# KiCad board accelerator.kicad_pcb (continued)
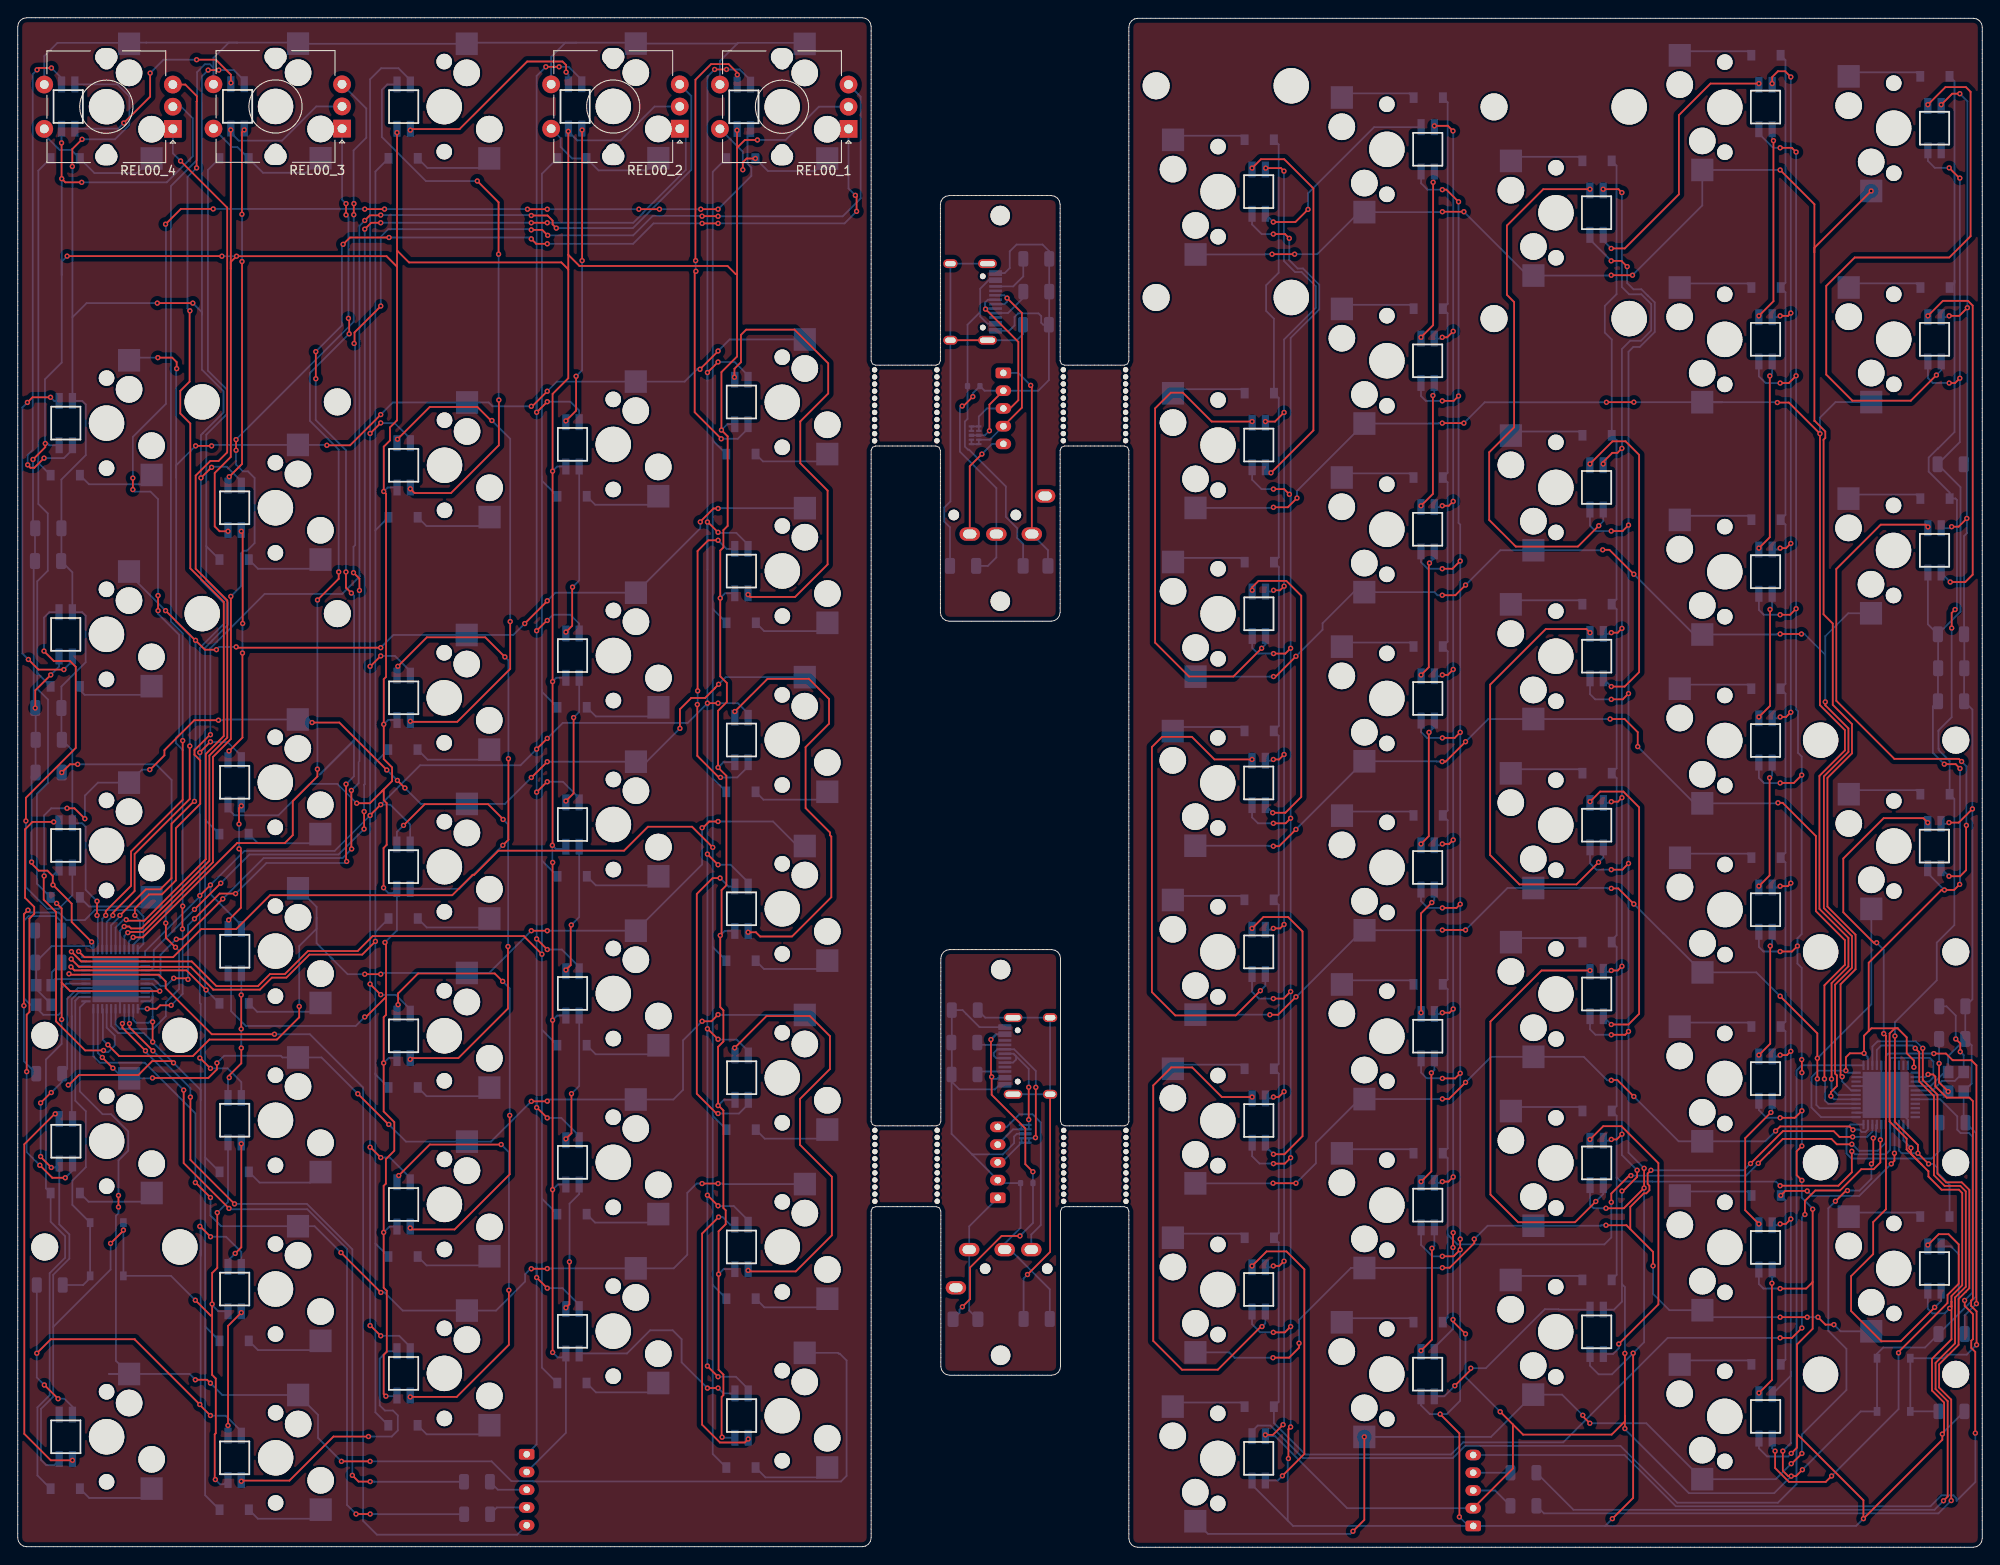
[diagram p0: board, top side]
## Footprints (pads in the part's own frame, mm; a bottom-side part is the same pattern mirrored in y, then rotated)
C_1206_3216Metric
  rrect 1.15x1.8 smd: 1(-1.475,0) 2(1.475,0)
D_SOD-123-Pretty
  rect 0.9x1.2 smd: 1(-1.65,0) 2(1.65,0)
D_SOD-523
  rrect 0.6x0.7 smd: 1(-0.7,0) 2(0.7,0)
Fuse_1206_3216Metric
  rrect 1.25x1.75 smd: 1(-1.4,0) 2(1.4,0)
JST_PH_S5B-PH-K_1x05_P2.00mm_Horizontal
  rrect 1.2x1.75 hole 0.75: 1(0,0)
  oval 1.2x1.75 hole 0.75: 2(2,0) 3(4,0) 4(6,0) 5(8,0)
MJ-4PP-9
  round 1.2 hole 1.2 unplated: (-4.55,-0.05) (2.45,-0.05)
  oval 2.3x1.5 hole 1.5x1: 1(5.75,-2.2) 2(-2.75,2.1) 3(0.25,2.1) 4(4.25,2.1)
MountingHole_2.2mm_M2
  round 2.2 hole 2.2 unplated: (0,0)
mousebites
  round 0.6 hole 0.6 unplated: (-4,0) (-3.2,0) (-2.4,0) (-1.6,0) (-0.8,0) (0,0) (0.8,0) (1.6,0) (2.4,0) (3.2,0) (4,0)
MXOnly-1.5U-Hotswap
  round 1.75 hole 1.75 unplated: (-5.08,0) (5.08,0)
  round 3 hole 3 unplated: (-3.81,2.54) (2.54,5.08)
  round 3.988 hole 3.988 unplated: (0,0)
  rect 2.55x2.5 smd far side: 1(-7.085,2.54) 2(5.842,5.08)
MXOnly-1.25U-Hotswap
  round 1.75 hole 1.75 unplated: (-5.08,0) (5.08,0)
  round 3 hole 3 unplated: (-3.81,2.54) (2.54,5.08)
  round 3.988 hole 3.988 unplated: (0,0)
  rect 2.55x2.5 smd far side: 1(-7.085,2.54) 2(5.842,5.08)
MXOnly-1.75U-Hotswap
  round 1.75 hole 1.75 unplated: (-5.08,0) (5.08,0)
  round 3 hole 3 unplated: (-3.81,2.54) (2.54,5.08)
  round 3.988 hole 3.988 unplated: (0,0)
  rect 2.55x2.5 smd far side: 1(-7.085,2.54) 2(5.842,5.08)
MXOnly-1U-Hotswap
  round 1.75 hole 1.75 unplated: (-5.08,0) (5.08,0)
  round 3 hole 3 unplated: (-3.81,2.54) (2.54,5.08)
  round 3.988 hole 3.988 unplated: (0,0)
  rect 2.55x2.5 smd far side: 1(-7.085,2.54) 2(5.842,5.08)
MXOnly-2.25U-Hotswap
  round 3.048 hole 3.048 unplated: (-11.938,6.985) (11.938,6.985)
  round 3.988 hole 3.988 unplated: (-11.938,-8.255) (0,0) (11.938,-8.255)
  round 1.75 hole 1.75 unplated: (-5.08,0) (5.08,0)
  round 3 hole 3 unplated: (-3.81,2.54) (2.54,5.08)
  rect 2.55x2.5 smd far side: 1(-7.085,2.54) 2(5.842,5.08)
MXOnly-2.25U-Hotswap-ReversedStabilizers
  round 3.988 hole 3.988 unplated: (-11.938,8.255) (0,0) (11.938,8.255)
  round 3.048 hole 3.048 unplated: (-11.938,-6.985) (11.938,-6.985)
  round 1.75 hole 1.75 unplated: (-5.08,0) (5.08,0)
  round 3 hole 3 unplated: (-3.81,2.54) (2.54,5.08)
  rect 2.55x2.5 smd far side: 1(-7.085,2.54) 2(5.842,5.08)
MXOnly-2.75U-Hotswap-ReversedStabilizers
  round 3.988 hole 3.988 unplated: (-11.938,8.255) (0,0) (11.938,8.255)
  round 3.048 hole 3.048 unplated: (-11.938,-6.985) (11.938,-6.985)
  round 1.75 hole 1.75 unplated: (-5.08,0) (5.08,0)
  round 3 hole 3 unplated: (-3.81,2.54) (2.54,5.08)
  rect 2.55x2.5 smd far side: 1(-7.085,2.54) 2(5.842,5.08)
MXOnly-2U-Hotswap
  round 3.048 hole 3.048 unplated: (-11.938,6.985) (11.938,6.985)
  round 3.988 hole 3.988 unplated: (-11.938,-8.255) (0,0) (11.938,-8.255)
  round 1.75 hole 1.75 unplated: (-5.08,0) (5.08,0)
  round 3 hole 3 unplated: (-3.81,2.54) (2.54,5.08)
  rect 2.55x2.5 smd far side: 1(-7.085,2.54) 2(5.842,5.08)
OSC-SMD_4P-L3.2-W2.5-BL
  rect 1.4x1.2 smd: 1(-1.1,-0.875) 2(1.1,-0.875) 3(1.1,0.875) 4(-1.1,0.875)
QFN-44-1EP_7x7mm_P0.5mm_EP5.2x5.2mm
  rrect 1.05x1.05 smd: (-1.95,-1.95) (-1.95,-0.65) (-1.95,0.65) (-1.95,1.95) (-0.65,-1.95) (-0.65,-0.65) (-0.65,0.65) (-0.65,1.95) (0.65,-1.95) (0.65,-0.65) (0.65,0.65) (0.65,1.95) (1.95,-1.95) (1.95,-0.65) (1.95,0.65) (1.95,1.95)
  rrect 1.075x0.25 smd: 1(-3.337,2.5) 2(-3.337,2) 3(-3.337,1.5) 4(-3.337,1) 5(-3.337,0.5) 6(-3.337,0) 7(-3.337,-0.5) 8(-3.337,-1) 9(-3.337,-1.5) 10(-3.337,-2) 11(-3.337,-2.5) 23(3.337,-2.5) 24(3.337,-2) 25(3.337,-1.5) 26(3.337,-1) 27(3.337,-0.5) 28(3.337,0) 29(3.337,0.5) 30(3.337,1) 31(3.337,1.5) 32(3.337,2) 33(3.337,2.5)
  rrect 0.25x1.075 smd: 12(-2.5,-3.337) 13(-2,-3.337) 14(-1.5,-3.337) 15(-1,-3.337) 16(-0.5,-3.337) 17(0,-3.337) 18(0.5,-3.337) 19(1,-3.337) 20(1.5,-3.337) 21(2,-3.337) 22(2.5,-3.337) 34(2.5,3.337) 35(2,3.337) 36(1.5,3.337) 37(1,3.337) 38(0.5,3.337) 39(0,3.337) 40(-0.5,3.337) 41(-1,3.337) 42(-1.5,3.337) 43(-2,3.337) 44(-2.5,3.337)
  rect 5.2x5.2 smd: 45(0,0)
R_1206_3216Metric
  rrect 1.125x1.75 smd: 1(-1.462,0) 2(1.462,0)
RotaryEncoder_Alps_EC12E-Switch_Vertical_H20mm
  rect 3x2.5 hole 2.5x2 unplated: (7.5,3.1) (7.5,-8.1)
  rect 2x2 hole 1: A(0,0)
  round 2 hole 1: B(0,-5) C(0,-2.5) S1(14.5,0) S2(14.5,-5)
SK6812MINIE
  rect 1.8x0.82 smd far side: 1(-2.5,0.75) 2(-2.5,-0.75) 3(2.5,-0.75) 4(2.5,0.75)
SW_TS-1187A-B-A-B
  rect 1x0.75 smd: A(-3,1.875) B(3,1.875) C(-3,-1.875) D(3,-1.875)
USB_C_Receptacle_HRO_TYPE-C-31-M-12
  round 0.65 hole 0.65 unplated: (-2.89,2.6) (2.89,2.6)
  rect 0.6x1.45 smd: A1(-3.25,4.045) A4(-2.45,4.045) A9(2.45,4.045) A12(3.25,4.045) B1(3.25,4.045) B4(2.45,4.045) B9(-2.45,4.045) B12(-3.25,4.045)
  rect 0.3x1.45 smd: A5(-1.25,4.045) A6(-0.25,4.045) A7(0.25,4.045) A8(1.25,4.045) B5(1.75,4.045) B6(0.75,4.045) B7(-0.75,4.045) B8(-1.75,4.045)
  oval 1x1.6 hole 0.6x1.2: S1(-4.32,-1.05) S1(4.32,-1.05)
  oval 1x2.1 hole 0.6x1.7: S1(-4.32,3.13) S1(4.32,3.13)
USON-10_L2.5-W1.0-P0.50-BL
  rect 0.25x0.609 smd: 1(-1,-0.415) 2(-0.5,-0.415) 4(0.5,-0.415) 5(1,-0.415) 6(1,0.415) 7(0.5,0.415) 9(-0.5,0.415) 10(-1,0.415)
  rect 0.38x0.609 smd: 3(0,-0.415) 8(0,0.415)

## Nets
+5VL: CL5.1 CL6.1 CL7.1 CL8.1 JL3.1 LLED1.1 LLED2.1 LLED3.1 LLED4.1 LLED5.1 LLED6.1 LLED7.1 LLED8.1 LLED9.1 LLED10.1 LLED11.1 LLED12.1 LLED13.1 LLED14.1 LLED15.1 LLED17.1 LLED18.1 LLED19.1 LLED20.1 LLED21.1 LLED22.1 LLED23.1 LLED25.1 LLED26.1 LLED28.1 LLED29.1 LLED30.1 LLED31.1 LLED32.1 LLED33.1 LLED34.1 LLED35.1 LLED36.1 LLED38.1 LLED40.1 RL5.1 UL1.2 UL1.7 UL1.14 UL1.24 UL1.34 UL1.41 UL1.44
+5VLD: FLD1.2 JLD1.4 JLD2.1
+5VR: CR5.1 CR6.1 CR7.1 CR8.1 JR3.1 RLED1.1 RLED2.1 RLED3.1 RLED4.1 RLED5.1 RLED6.1 RLED7.1 RLED8.1 RLED9.1 RLED10.1 RLED11.1 RLED12.1 RLED13.1 RLED14.1 RLED15.1 RLED16.1 RLED17.1 RLED18.1 RLED19.1 RLED20.1 RLED21.1 RLED22.1 RLED24.1 RLED25.1 RLED26.1 RLED27.1 RLED28.1 RLED29.1 RLED30.1 RLED31.1 RLED32.1 RLED34.1 RLED36.1 RLED38.1 RLED39.1 RLED40.1 RR5.1 UR1.2 UR1.7 UR1.14 UR1.24 UR1.34 UR1.44
+5VRD: FRD1.2 JRD1.4 JRD2.1
GNDL: CL1.1 CL2.2 CL3.2 CL5.2 CL6.2 CL7.2 CL8.2 JL3.2 LLED1.3 LLED2.3 LLED3.3 LLED4.3 LLED5.3 LLED6.3 LLED7.3 LLED8.3 LLED9.3 LLED10.3 LLED11.3 LLED12.3 LLED13.3 LLED14.3 LLED15.3 LLED17.3 LLED18.3 LLED19.3 LLED20.3 LLED21.3 LLED22.3 LLED23.3 LLED25.3 LLED26.3 LLED28.3 LLED29.3 LLED30.3 LLED31.3 LLED32.3 LLED33.3 LLED34.3 LLED35.3 LLED36.3 LLED38.3 LLED40.3 REL00_1.C REL00_2.C REL00_3.C REL00_4.C RESETL_SW1.C RESETL_SW1.D RL4.1 UL1.5 UL1.15 UL1.23 UL1.35 UL1.43 UL1.45 YL1.2 YL1.4
GNDLD: CLD1.1 ESDDLD1.2 JLD1.3 JLD2.2 RLD1.1 RLD2.1 RLD3.1 ULD1.3 ULD1.8 USBLD1.A1 USBLD1.A12 USBLD1.B1 USBLD1.B12
GNDPWRLD: CLD1.2 RLD1.2 USBLD1.S1
GNDPWRRD: CRD1.2 RRD1.2 USBRD1.S1
GNDR: CR1.1 CR2.2 CR3.2 CR5.2 CR6.2 CR7.2 CR8.2 JR3.2 RESETR_SW1.C RESETR_SW1.D RLED1.3 RLED2.3 RLED3.3 RLED4.3 RLED5.3 RLED6.3 RLED7.3 RLED8.3 RLED9.3 RLED10.3 RLED11.3 RLED12.3 RLED13.3 RLED14.3 RLED15.3 RLED16.3 RLED17.3 RLED18.3 RLED19.3 RLED20.3 RLED21.3 RLED22.3 RLED24.3 RLED25.3 RLED26.3 RLED27.3 RLED28.3 RLED29.3 RLED30.3 RLED31.3 RLED32.3 RLED34.3 RLED36.3 RLED38.3 RLED39.3 RLED40.3 RR4.1 UR1.5 UR1.15 UR1.23 UR1.35 UR1.41 UR1.43 UR1.45 YR1.2 YR1.4
GNDRD: CRD1.1 ESDDRD1.2 JRD1.3 JRD2.2 RRD1.1 RRD2.1 RRD3.1 URD1.3 URD1.8 USBRD1.A1 USBRD1.A12 USBRD1.B1 USBRD1.B12
VCCLD: ESDDLD1.1 FLD1.1 USBLD1.A4 USBLD1.A9 USBLD1.B4 USBLD1.B9
VCCRD: ESDDRD1.1 FRD1.1 USBRD1.A4 USBRD1.A9 USBRD1.B4 USBRD1.B9
CCLD1: RLD2.2 USBLD1.A5
CCLD2: RLD3.2 USBLD1.B5
CCRD1: RRD2.2 USBRD1.A5
CCRD2: RRD3.2 USBRD1.B5
D+L: JL3.4 RL2.2
D+R: JR3.4 RR2.2
D-L: JL3.3 RL3.2
D-R: JR3.3 RR3.2
dataDL: JLD1.2 JLD2.5
dataDR: JRD1.2 JRD2.5
dataL: JL3.5 UL1.18
dataR: JR3.5 UR1.18
DLD+: JLD2.4 ULD1.4 ULD1.5 ULD1.6 ULD1.7 USBLD1.A6 USBLD1.B6
DLD-: JLD2.3 ULD1.1 ULD1.2 ULD1.9 ULD1.10 USBLD1.A7 USBLD1.B7
DRD+: JRD2.4 URD1.4 URD1.5 URD1.6 URD1.7 USBRD1.A6 USBRD1.B6
DRD-: JRD2.3 URD1.1 URD1.2 URD1.9 URD1.10 USBRD1.A7 USBRD1.B7
lcol01: REL00_1.S2 REL00_2.S2 REL00_3.S2 REL00_4.S2 SWL00_1.1 SWL00_9.1 SWL00_17.1 SWL00_25.1 SWL00_33.1 UL1.25
lcol02: SWL00_2.1 SWL00_10.1 SWL00_18.1 SWL00_26.1 SWL00_34.1 UL1.26
lcol03: SWL00_3.1 SWL00_11.1 SWL00_19.1 SWL00_35.1 UL1.27
lcol04: SWL00_4.1 SWL00_12.1 SWL00_20.1 SWL00_28.1 SWL00_36.1 UL1.8
lcol05: SWL00_5.1 SWL00_13.1 SWL00_21.1 SWL00_29.1 UL1.9
lcol06: SWL00_6.1 SWL00_14.1 SWL00_22.1 SWL00_30.1 SWL00_38.1 UL1.10
lcol07: SWL00_7.1 SWL00_15.1 SWL00_23.1 SWL00_31.1 UL1.11
lcol08: SWL00_8.1 SWL00_32.1 SWL00_40.1 UL1.12
LLED: LLED1.4 UL1.1
lrow01: DL00_1.1 DL00_2.1 DL00_3.1 DL00_4.1 DL00_5.1 DL00_6.1 DL00_7.1 DL00_8.1 UL1.22
lrow02: DL00_9.1 DL00_10.1 DL00_11.1 DL00_12.1 DL00_13.1 DL00_14.1 DL00_15.1 UL1.21
lrow03: DL00_17.1 DL00_18.1 DL00_19.1 DL00_20.1 DL00_21.1 DL00_22.1 DL00_23.1 UL1.20
lrow04: DL00_25.1 DL00_26.1 DL00_28.1 DL00_29.1 DL00_30.1 DL00_31.1 DL00_32.1 UL1.19
lrow05: DL00_33.1 DL00_34.1 DL00_35.1 DL00_36.1 DL00_38.1 DL00_40.1 UL1.40
rcol01: SWR00_1.1 SWR00_9.1 SWR00_17.1 SWR00_25.1 UR1.30
rcol02: SWR00_2.1 SWR00_10.1 SWR00_18.1 SWR00_26.1 SWR00_34.1 UR1.31
rcol03: SWR00_3.1 SWR00_11.1 SWR00_19.1 SWR00_27.1 UR1.32
rcol04: SWR00_4.1 SWR00_12.1 SWR00_20.1 SWR00_28.1 SWR00_36.1 UR1.36
rcol05: SWR00_5.1 SWR00_13.1 SWR00_21.1 SWR00_29.1 UR1.37
rcol06: SWR00_6.1 SWR00_14.1 SWR00_22.1 SWR00_30.1 SWR00_38.1 UR1.38
rcol07: SWR00_7.1 SWR00_15.1 SWR00_31.1 SWR00_39.1 UR1.39
rcol08: SWR00_8.1 SWR00_16.1 SWR00_24.1 SWR00_32.1 SWR00_40.1 UR1.40
RE1A: REL00_1.A UL1.39
RE1B: REL00_1.B UL1.38
RE2A: REL00_2.A UL1.37
RE2B: REL00_2.B UL1.32
RE3A: REL00_3.A UL1.31
RE3B: REL00_3.B UL1.30
RE4A: REL00_4.A UL1.29
RE4B: REL00_4.B UL1.28
RESETL: RESETL_SW1.A RESETL_SW1.B RL5.2 UL1.13
RESETR: RESETR_SW1.A RESETR_SW1.B RR5.2 UR1.13
RLED: RLED1.4 UR1.1
rrow01: DR00_1.1 DR00_2.1 DR00_3.1 DR00_4.1 DR00_5.1 DR00_6.1 DR00_7.1 DR00_8.1 UR1.29
rrow02: DR00_9.1 DR00_10.1 DR00_11.1 DR00_12.1 DR00_13.1 DR00_14.1 DR00_15.1 DR00_16.1 UR1.28
rrow03: DR00_17.1 DR00_18.1 DR00_19.1 DR00_20.1 DR00_21.1 DR00_22.1 DR00_24.1 UR1.27
rrow04: DR00_25.1 DR00_26.1 DR00_27.1 DR00_28.1 DR00_29.1 DR00_30.1 DR00_31.1 DR00_32.1 UR1.26
rrow05: DR00_34.1 DR00_36.1 DR00_38.1 DR00_39.1 DR00_40.1 UR1.25
Net-(DL00_1-A): DL00_1.2 REL00_1.S1 SWL00_1.2
Net-(DL00_2-A): DL00_2.2 SWL00_2.2
Net-(DL00_3-A): DL00_3.2 SWL00_3.2
Net-(DL00_4-A): DL00_4.2 SWL00_4.2
Net-(DL00_5-A): DL00_5.2 SWL00_5.2
Net-(DL00_6-A): DL00_6.2 SWL00_6.2
Net-(DL00_7-A): DL00_7.2 SWL00_7.2
Net-(DL00_8-A): DL00_8.2 SWL00_8.2
Net-(DL00_9-A): DL00_9.2 REL00_2.S1 SWL00_9.2
Net-(DL00_10-A): DL00_10.2 SWL00_10.2
Net-(DL00_11-A): DL00_11.2 SWL00_11.2
Net-(DL00_12-A): DL00_12.2 SWL00_12.2
Net-(DL00_13-A): DL00_13.2 SWL00_13.2
Net-(DL00_14-A): DL00_14.2 SWL00_14.2
Net-(DL00_15-A): DL00_15.2 SWL00_15.2
Net-(DL00_17-A): DL00_17.2 SWL00_17.2
Net-(DL00_18-A): DL00_18.2 SWL00_18.2
Net-(DL00_19-A): DL00_19.2 SWL00_19.2
Net-(DL00_20-A): DL00_20.2 SWL00_20.2
Net-(DL00_21-A): DL00_21.2 SWL00_21.2
Net-(DL00_22-A): DL00_22.2 SWL00_22.2
Net-(DL00_23-A): DL00_23.2 SWL00_23.2
Net-(DL00_25-A): DL00_25.2 REL00_3.S1 SWL00_25.2
Net-(DL00_26-A): DL00_26.2 SWL00_26.2
Net-(DL00_28-A): DL00_28.2 SWL00_28.2
Net-(DL00_29-A): DL00_29.2 SWL00_29.2
Net-(DL00_30-A): DL00_30.2 SWL00_30.2
Net-(DL00_31-A): DL00_31.2 SWL00_31.2
Net-(DL00_32-A): DL00_32.2 SWL00_32.2
Net-(DL00_33-A): DL00_33.2 REL00_4.S1 SWL00_33.2
Net-(DL00_34-A): DL00_34.2 SWL00_34.2
Net-(DL00_35-A): DL00_35.2 SWL00_35.2
Net-(DL00_36-A): DL00_36.2 SWL00_36.2
Net-(DL00_38-A): DL00_38.2 SWL00_38.2
Net-(DL00_40-A): DL00_40.2 SWL00_40.2
Net-(DR00_1-A): DR00_1.2 SWR00_1.2
Net-(DR00_2-A): DR00_2.2 SWR00_2.2
Net-(DR00_3-A): DR00_3.2 SWR00_3.2
Net-(DR00_4-A): DR00_4.2 SWR00_4.2
Net-(DR00_5-A): DR00_5.2 SWR00_5.2
Net-(DR00_6-A): DR00_6.2 SWR00_6.2
Net-(DR00_7-A): DR00_7.2 SWR00_7.2
Net-(DR00_8-A): DR00_8.2 SWR00_8.2
Net-(DR00_9-A): DR00_9.2 SWR00_9.2
Net-(DR00_10-A): DR00_10.2 SWR00_10.2
Net-(DR00_11-A): DR00_11.2 SWR00_11.2
Net-(DR00_12-A): DR00_12.2 SWR00_12.2
Net-(DR00_13-A): DR00_13.2 SWR00_13.2
Net-(DR00_14-A): DR00_14.2 SWR00_14.2
Net-(DR00_15-A): DR00_15.2 SWR00_15.2
Net-(DR00_16-A): DR00_16.2 SWR00_16.2
Net-(DR00_17-A): DR00_17.2 SWR00_17.2
Net-(DR00_18-A): DR00_18.2 SWR00_18.2
Net-(DR00_19-A): DR00_19.2 SWR00_19.2
Net-(DR00_20-A): DR00_20.2 SWR00_20.2
Net-(DR00_21-A): DR00_21.2 SWR00_21.2
Net-(DR00_22-A): DR00_22.2 SWR00_22.2
Net-(DR00_24-A): DR00_24.2 SWR00_24.2
Net-(DR00_25-A): DR00_25.2 SWR00_25.2
Net-(DR00_26-A): DR00_26.2 SWR00_26.2
Net-(DR00_27-A): DR00_27.2 SWR00_27.2
Net-(DR00_28-A): DR00_28.2 SWR00_28.2
Net-(DR00_29-A): DR00_29.2 SWR00_29.2
Net-(DR00_30-A): DR00_30.2 SWR00_30.2
Net-(DR00_31-A): DR00_31.2 SWR00_31.2
Net-(DR00_32-A): DR00_32.2 SWR00_32.2
Net-(DR00_34-A): DR00_34.2 SWR00_34.2
Net-(DR00_36-A): DR00_36.2 SWR00_36.2
Net-(DR00_38-A): DR00_38.2 SWR00_38.2
Net-(DR00_39-A): DR00_39.2 SWR00_39.2
Net-(DR00_40-A): DR00_40.2 SWR00_40.2
Net-(LLED1-DOUT): LLED1.2 LLED2.4
Net-(LLED2-DOUT): LLED2.2 LLED3.4
Net-(LLED3-DOUT): LLED3.2 LLED4.4
Net-(LLED4-DOUT): LLED4.2 LLED5.4
Net-(LLED5-DOUT): LLED5.2 LLED6.4
Net-(LLED6-DOUT): LLED6.2 LLED7.4
Net-(LLED7-DOUT): LLED7.2 LLED8.4
Net-(LLED10-DIN): LLED10.4 LLED11.2
Net-(LLED10-DOUT): LLED9.4 LLED10.2
Net-(LLED11-DIN): LLED11.4 LLED12.2
Net-(LLED12-DIN): LLED12.4 LLED13.2
Net-(LLED13-DIN): LLED13.4 LLED14.2
Net-(LLED14-DIN): LLED14.4 LLED15.2
Net-(LLED15-DIN): LLED8.2 LLED15.4
Net-(LLED17-DIN): LLED9.2 LLED17.4
Net-(LLED17-DOUT): LLED17.2 LLED18.4
Net-(LLED18-DOUT): LLED18.2 LLED19.4
Net-(LLED19-DOUT): LLED19.2 LLED20.4
Net-(LLED20-DOUT): LLED20.2 LLED21.4
Net-(LLED21-DOUT): LLED21.2 LLED22.4
Net-(LLED22-DOUT): LLED22.2 LLED23.4
Net-(LLED23-DOUT): LLED23.2 LLED32.4
Net-(LLED25-DIN): LLED25.4 LLED26.2
Net-(LLED25-DOUT): LLED25.2 LLED33.4
Net-(LLED26-DIN): LLED26.4 LLED28.2
Net-(LLED28-DIN): LLED28.4 LLED29.2
Net-(LLED29-DIN): LLED29.4 LLED30.2
Net-(LLED30-DIN): LLED30.4 LLED31.2
Net-(LLED31-DIN): LLED31.4 LLED32.2
Net-(LLED33-DOUT): LLED33.2 LLED34.4
Net-(LLED34-DOUT): LLED34.2 LLED35.4
Net-(LLED35-DOUT): LLED35.2 LLED36.4
Net-(LLED36-DOUT): LLED36.2 LLED38.4
Net-(LLED38-DOUT): LLED38.2 LLED40.4
Net-(RLED1-DOUT): RLED1.2 RLED2.4
Net-(RLED2-DOUT): RLED2.2 RLED3.4
Net-(RLED3-DOUT): RLED3.2 RLED4.4
Net-(RLED4-DOUT): RLED4.2 RLED5.4
Net-(RLED5-DOUT): RLED5.2 RLED6.4
Net-(RLED6-DOUT): RLED6.2 RLED7.4
Net-(RLED7-DOUT): RLED7.2 RLED8.4
Net-(RLED10-DIN): RLED10.4 RLED11.2
Net-(RLED10-DOUT): RLED9.4 RLED10.2
Net-(RLED11-DIN): RLED11.4 RLED12.2
Net-(RLED12-DIN): RLED12.4 RLED13.2
Net-(RLED13-DIN): RLED13.4 RLED14.2
Net-(RLED14-DIN): RLED14.4 RLED15.2
Net-(RLED15-DIN): RLED15.4 RLED16.2
Net-(RLED16-DIN): RLED8.2 RLED16.4
Net-(RLED17-DIN): RLED9.2 RLED17.4
Net-(RLED17-DOUT): RLED17.2 RLED18.4
Net-(RLED18-DOUT): RLED18.2 RLED19.4
Net-(RLED19-DOUT): RLED19.2 RLED20.4
Net-(RLED20-DOUT): RLED20.2 RLED21.4
Net-(RLED21-DOUT): RLED21.2 RLED22.4
Net-(RLED22-DOUT): RLED22.2 RLED24.4
Net-(RLED24-DOUT): RLED24.2 RLED32.4
Net-(RLED25-DIN): RLED25.4 RLED26.2
Net-(RLED25-DOUT): RLED25.2 RLED34.4
Net-(RLED26-DIN): RLED26.4 RLED27.2
Net-(RLED27-DIN): RLED27.4 RLED28.2
Net-(RLED28-DIN): RLED28.4 RLED29.2
Net-(RLED29-DIN): RLED29.4 RLED30.2
Net-(RLED30-DIN): RLED30.4 RLED31.2
Net-(RLED31-DIN): RLED31.4 RLED32.2
Net-(RLED34-DOUT): RLED34.2 RLED36.4
Net-(RLED36-DOUT): RLED36.2 RLED38.4
Net-(RLED38-DOUT): RLED38.2 RLED39.4
Net-(RLED39-DOUT): RLED39.2 RLED40.4
Net-(UL1-D+): RL2.1 UL1.4
Net-(UL1-D-): RL3.1 UL1.3
Net-(UL1-UCAP): CL3.1 UL1.6
Net-(UL1-XTAL1): CL1.2 UL1.17 YL1.3
Net-(UL1-XTAL2): CL2.1 UL1.16 YL1.1
Net-(UL1-~{HWB}/PE2): RL4.2 UL1.33
Net-(UR1-D+): RR2.1 UR1.4
Net-(UR1-D-): RR3.1 UR1.3
Net-(UR1-UCAP): CR3.1 UR1.6
Net-(UR1-XTAL1): CR1.2 UR1.17 YR1.3
Net-(UR1-XTAL2): CR2.1 UR1.16 YR1.1
Net-(UR1-~{HWB}/PE2): RR4.2 UR1.33

Pads without a net: JLD1 1; JRD1 1; LLED40 2; RLED40 2; UL1 36 42; UR1 8 9 10 11 12 19 20 21 22 42; USBLD1 A8 B8; USBRD1 A8 B8

## Via types
v1: diameter 0.6, hole 0.3, Top to Bottom, 770 vias

## Routing (per net, layer and track width the routed paths; a pad name or vN(x,y) marks a point on that pad's centre or on a via; arc(x,y) is an arc through that point)
+5VL: length 1114.6
  Top w0.2: v1(21.73,90.84) 20.53,89.64 v1(20.53,89.63) ; v1(21.86,121.79) 21.63,121.56 21.62,121.56 v1(20.66,120.6) ; v1(6.16,155.72) 6.16,157.69 v1(7.25,158.78) ; v1(39.73,63.52) v1(40.93,62.32) ; v1(77.77,58.47) 77.79,58.47 v1(78.97,57.29) ; v1(58.51,30.42) v1(59.71,29.22) ; v1(78.97,133.67) 77.78,132.48 v1(77.77,132.48) ; v1(59.71,91.22) 58.51,90.02 v1(58.51,90.01) ; v1(40.93,23.85) 39.78,25 v1(39.73,25) ; v1(77.77,78.17) v1(78.97,76.97) ; v1(39.73,125.61) 39.74,125.61 v1(40.93,126.8) ; v1(17.56,54.63) 17.37,54.83 15.17,54.83 13.6,53.26 6.89,53.26 5.76,52.13 v1(5.7,52.13) ; v1(20.53,55.18) 20.56,55.18 v1(21.73,54.01) ; v1(40.93,100.52) 39.76,99.35 v1(39.73,99.35) ; v1(21.73,14.86) 20.53,16.06 v1(20.53,16.1) 13.2,23.43 13.2,23.46 3.73,23.46 v1(2.15,21.88) ; v1(77.77,95.19) v1(78.97,95.19) ; v1(59.55,166.96) v1(61.05,166.96) ; v1(8.94,72.86) v1(8.94,71.26) ; v1(58.51,128) 58.52,128 v1(59.71,129.19) ; v1(77.77,115.62) 77.81,115.62 v1(78.97,114.46) ; v1(15.74,140.31) v1(19.74,140.31) ; v1(77.77,39.7) 77.78,39.7 v1(78.97,38.51) ; v1(78.97,19.23) 77.77,20.43 v1(77.77,20.44) ; v1(59.71,48.42) 58.54,49.59 v1(58.51,49.59) ; v1(40.93,83.75) 39.73,82.55 v1(39.73,82.53) ; v1(58.51,103.36) 59.67,104.52 v1(59.71,104.52) ; v1(21.74,35.02) 20.57,36.19 v1(20.53,36.19) ; v1(59.71,86.33) 59.68,86.33 v1(58.51,85.16) ; v1(40.93,43.95) 39.76,45.12 v1(39.73,45.12) ; v1(20.53,73.49) v1(21.73,74.69) ; v1(58.51,68.61) v1(59.71,67.41) ; v1(15.21,59.25) 15.21,56.99 v1(15.22,56.98) ; v1(3,18.3) 3,18.3 v1(4.55,16.75) ; v1(78.58,166.66) v1(79.92,166.66) ; v1(21.47,166.59) v1(22.67,166.59)
  Bottom w0.2: 20.63,50.44 20.63,33.47 ; 20.63,50.44 20.63,55.08 v1(20.53,55.18) 20.63,55.28 20.63,61.27 20.53,61.37 v1(20.53,73.49) ; 20.63,50.44 20.63,51.57 v1(17.56,54.63) v1(15.22,56.98) 14.21,57.99 11.32,57.99 10.53,58.78 UL1.7 ; 20.63,33.47 20.63,16.2 v1(20.53,16.1) ; 20.63,33.47 20.63,32.89 20.63,36.09 v1(20.53,36.19) ; v1(8.94,71.26) 9.03,71.17 UL1.24 ; LLED30.1 25.21,52.46 23.66,54.01 v1(21.73,54.01) ; 39.73,80.63 v1(39.73,82.53) 35.73,78.53 25.57,78.53 v1(21.73,74.69) 21.73,73.65 25.22,70.16 LLED29.1 ; 39.73,80.63 39.73,98.5 ; 39.73,80.63 v1(39.73,63.52) 39.73,45.68 ; v1(59.55,166.96) 58.51,165.92 58.51,129.61 ; LLED15.1 63.31,27.35 61.44,29.22 v1(59.71,29.22) ; v1(78.97,133.67) 80.83,133.67 82.35,132.15 LLED2.1 ; LLED13.1 63.31,65.45 61.35,67.41 v1(59.71,67.41) ; 58.51,129.61 v1(58.51,103.36) 58.51,88.55 ; 58.51,129.61 v1(58.51,128) ; 15.2,62.18 15.2,61.85 14.92,61.57 UL1.44 ; 15.2,62.18 15.2,62.78 14.92,63.07 UL1.41 ; 15.2,62.18 15.2,59.85 ; v1(15.21,59.25) 15.2,59.25 15.2,59.85 ; v1(3,18.3) 2.15,19.15 v1(2.15,21.88) RL5.1 ; v1(78.58,166.66) 77.77,165.85 77.77,131.55 ; 20.77,139.02 20.77,139.28 v1(19.74,140.31) ; 20.77,139.02 20.77,132.8 23.2,130.37 23.2,127.97 20.66,125.43 v1(20.66,120.6) 20.66,109.04 23.32,106.38 23.32,104.21 20.73,101.62 20.73,101.6 20.53,101.4 20.53,88.92 20.53,89.08 ; 20.77,139.02 20.77,165.89 v1(21.47,166.59) ; UL1.14 6.85,62.57 6.09,61.8 6.09,59.89 ; 6.09,59.89 6.09,52.52 v1(5.7,52.13) ; 6.09,59.89 6.09,48.38 LLED38.1 ; v1(15.74,140.31) 7.76,140.31 6.17,138.72 ; v1(22.67,166.59) 24.36,166.59 25.54,165.41 LLED25.1 ; v1(78.97,95.19) 81.2,95.19 82.36,94.03 LLED4.1 ; UL1.2 13.03,59.48 13.36,59.15 14.74,59.15 15.2,59.61 15.2,59.85 ; 77.77,131.55 v1(77.77,132.48) ; 77.77,131.55 77.77,110.27 ; v1(78.97,76.97) 80.39,76.97 82.36,75 LLED5.1 ; 77.77,57.57 v1(77.77,78.17) 77.77,94.85 ; 77.77,57.57 77.77,39.26 ; 77.77,57.57 v1(77.77,58.47) ; v1(8.94,72.86) 7.66,74.14 7.66,81.25 7.26,81.65 LLED36.1 6.16,89.87 CL8.1 4.97,91.25 4.92,91.3 CL7.1 4.92,97.07 7.66,99.81 7.66,105.05 7.26,105.45 LLED35.1 6.16,109.95 CL6.1 4.89,111.4 4.92,111.43 CL5.1 4.92,120.41 7.67,123.16 7.67,128.88 7.27,129.28 LLED34.1 6.17,138.72 ; LLED7.1 82.36,36.86 80.74,38.48 79,38.48 v1(78.97,38.51) ; v1(20.53,73.49) 20.53,73.38 14.37,67.22 UL1.34 ; v1(20.53,73.49) 20.63,73.39 ; v1(20.53,73.49) 20.53,89.08 ; v1(21.73,14.86) 21.75,14.84 23.45,14.84 25.21,13.08 LLED32.1 ; 39.73,45.68 v1(39.73,45.12) ; 39.73,45.68 v1(39.73,25) ; 77.77,39.26 v1(77.77,39.7) ; 77.77,39.26 v1(77.77,20.44) ; 58.51,50.67 v1(58.51,68.61) v1(58.51,85.16) 58.51,88.55 ; 58.51,50.67 58.51,31.59 ; 58.51,50.67 v1(58.51,49.59) ; 82.63,164.95 82.63,165.44 81.41,166.66 v1(79.92,166.66) ; 77.77,110.27 v1(77.77,115.62) ; 77.77,110.27 77.77,94.85 ; v1(4.55,16.75) 4.56,16.76 5.26,16.76 6.17,15.85 LLED40.1 ; 58.51,31.59 v1(58.51,30.42) ; 58.51,31.59 58.51,11.61 JL3.1 ; LLED10.1 63.31,128.19 62.31,129.19 v1(59.71,129.19) ; LLED28.1 25.21,89.26 23.66,90.81 21.76,90.81 v1(21.73,90.84) ; LLED17.1 44.27,165.46 42.93,166.8 40.98,166.8 39.73,165.55 v1(39.73,125.61) 39.73,98.5 ; 39.73,98.5 v1(39.73,99.35) ; 6.17,138.72 6.17,155.71 v1(6.16,155.72) ; v1(21.86,121.79) 21.93,121.86 23.57,121.86 25.21,120.22 LLED26.1 ; 20.53,89.08 v1(20.53,89.63) ; LLED20.1 44.25,81.51 42.01,83.75 v1(40.93,83.75) 45.37,88.19 56.69,88.19 v1(58.51,90.01) 58.51,88.55 ; LLED8.1 82.37,17.84 80.98,19.23 v1(78.97,19.23) ; LLED21.1 44.26,60.67 42.63,62.3 40.95,62.3 v1(40.93,62.32) ; LLED9.1 63.6,165.48 62.12,166.96 v1(61.05,166.96) ; LLED14.1 63.31,46.4 61.29,48.42 v1(59.71,48.42) ; v1(7.25,158.78) 10.96,158.78 12.59,160.41 12.59,163.62 11.23,164.98 LLED33.1 ; v1(40.93,126.8) 40.96,126.77 42.51,126.77 44.27,125.01 LLED18.1 ; 77.77,94.85 v1(77.77,95.19) 75.55,92.97 61.46,92.97 v1(59.71,91.22) ; v1(78.97,57.29) 79.01,57.25 81.08,57.25 82.38,55.95 LLED6.1 ; LLED22.1 44.26,41.65 41.96,43.95 v1(40.93,43.95) ; v1(59.71,104.52) 60.36,105.17 62.3,105.17 63.31,104.16 LLED11.1 ; v1(21.74,35.02) 23.49,35.02 25.21,33.3 LLED31.1 ; v1(40.93,23.85) 43.01,23.85 44.26,22.6 LLED23.1 ; LLED12.1 63.31,84.5 61.48,86.33 v1(59.71,86.33) ; v1(78.97,114.46) 79.03,114.4 81.03,114.4 82.35,113.08 LLED3.1 ; LLED19.1 44.27,98.79 42.54,100.52 v1(40.93,100.52)
+5VLD: length 24.8
  Top w0.2: JLD1.4 114.35,130.9 v1(114.22,131.03)
  Bottom w0.2: JLD1.4 116.17,112.44 FLD1.2 ; JLD2.1 112.82,132.43 v1(114.22,131.03)
+5VR: length 1131.8
  Top w0.2: v1(202.4,38.13) 202.4,29.91 ; 202.4,29.91 202.4,24.64 200.63,22.88 200.63,12.79 ; 202.4,29.91 201.67,29.18 v1(198.73,29.18) ; v1(198.73,157.83) 200.05,157.83 v1(200.53,157.35) ; v1(162.66,34.76) 162.65,34.75 v1(162.65,33.56) 161.91,32.82 v1(160.64,32.82) ; v1(217.79,131.3) 218.45,131.3 v1(218.99,131.84) ; 200.63,12.79 208.12,5.3 v1(208.12,3.23) 217.02,12.13 v1(217.02,12.77) 217.22,12.97 217.22,16.31 215.85,17.68 215.85,21.26 218.05,23.46 218.05,27.71 ; 200.63,12.79 200.63,11.24 v1(199.98,10.59) ; v1(160.63,110.36) 161.79,110.36 v1(162.66,111.23) ; 214.67,43.18 213.48,44.37 v1(213.48,45.04) ; 214.67,43.18 215.42,42.43 215.45,42.43 215.45,41.81 216.93,40.33 218.89,40.33 219.26,39.95 219.26,29.55 218.05,28.34 218.05,27.71 ; 214.67,43.18 212.99,44.86 212.99,46.09 211.07,48.01 211.07,57.94 211.66,58.53 211.98,58.53 ; v1(200.53,132.12) 199.71,131.3 v1(198.73,131.3) ; v1(143.53,82.22) 142.96,81.65 v1(141.58,81.65) ; v1(143.28,10.01) 143.28,13.32 v1(143.53,13.57) ; v1(143.53,43.93) 142.87,43.27 v1(141.59,43.27) ; v1(160.64,52.88) 162.08,52.88 v1(162.66,53.46) ; v1(143.39,118.75) 142.8,119.34 v1(141.59,119.34) ; v1(160.64,72.11) 162.24,72.11 v1(162.66,72.53) ; v1(160.39,15.02) 162.56,12.85 v1(162.56,3.43) ; v1(181.63,77.12) 180.93,76.42 v1(179.69,76.42) ; 211.98,58.53 209.02,58.53 208.72,58.22 ; 211.98,58.53 213,57.51 213,55.72 213.81,54.91 v1(213.81,54.14) ; v1(198.73,105.17) 199.85,105.17 v1(200.53,105.85) ; v1(143.38,147.62) 142.9,148.1 v1(141.58,148.1) ; v1(217.85,26.94) 218.05,27.14 218.05,27.71 ; v1(200.68,67.81) 200.06,67.19 v1(198.73,67.19) ; v1(160.64,153.11) 161.1,153.11 v1(162.47,151.74) ; v1(162.66,91.91) 162.03,91.28 v1(160.64,91.28) ; v1(143.53,24.89) 142.88,24.24 v1(141.58,24.24) ; v1(179.69,57.8) 181.25,57.8 v1(181.63,58.18) ; v1(201.16,55) 201.18,54.98 v1(201.18,53.53) ; v1(182.16,21.89) 182.16,5.57 v1(179.81,3.23) ; v1(218.97,74.76) 218.34,74.13 v1(217.25,74.13) 216.92,74.13 208.72,65.92 208.72,58.22 ; v1(179.68,145.08) 180.83,145.08 v1(181.48,144.43) ; v1(162.47,129.84) 161.92,129.29 v1(160.63,129.29) ; v1(141.6,100.79) 142.93,100.79 v1(143.53,101.39) ; v1(198.73,48.44) 200.39,48.44 v1(201.18,49.23) ; v1(183.39,42.74) v1(183.39,40.52) 181.11,38.23 v1(179.09,38.23) ; v1(179.68,114.61) 180.96,114.61 v1(181.63,115.28) ; v1(198.73,86.2) 200.27,86.2 v1(201.16,87.09) ; v1(141.58,61.88) 142.74,61.88 v1(143.53,62.67) ; 208.72,58.22 208.19,57.7 v1(208.19,55.71) 206.59,55.71 206.14,55.26 v1(206.14,53.75) ; v1(179.69,95.63) 180.98,95.63 v1(181.63,96.28) ; v1(217.24,88.32) 218.52,88.32 v1(219.01,87.83) ; v1(217.79,155.57) 218.95,154.41 v1(218.99,154.41) ; v1(201.18,45.26) 200.59,44.67 200.59,41.97 v1(201.18,41.38)
  Bottom w0.2: 143.21,3.01 143.81,2.41 JR3.1 ; 143.21,3.01 143.21,9.93 v1(143.28,10.01) ; 143.21,3.01 139.18,7.04 RLED1.1 ; v1(208.19,55.71) 208.59,55.31 208.59,55.14 208.63,55.1 UR1.2 ; v1(198.73,157.83) 197.94,157.83 196.33,159.43 RLED32.1 ; v1(198.73,67.19) 196.85,67.19 196.33,67.71 RLED28.1 ; RLED27.1 196.33,49.31 197.2,48.44 v1(198.73,48.44) ; CR7.1 216.55,102.94 CR6.1 216.53,99.12 CR5.1 215.95,94.83 215.95,89.61 v1(217.24,88.32) ; CR7.1 215.39,104.09 RLED38.1 ; CR7.1 219.07,105.52 219.07,119.56 CR8.1 218.99,124.64 v1(218.99,131.84) v1(218.99,154.41) ; 179,2.41 207.3,2.41 v1(208.12,3.23) ; 179,2.41 179.81,3.22 v1(179.81,3.23) ; 179,2.41 JR3.1 ; v1(141.6,100.79) 139.84,100.79 139.2,101.43 RLED6.1 ; v1(199.98,10.59) 199.64,10.25 197.25,10.25 196.34,11.16 RLED25.1 ; v1(179.68,114.61) 177.9,114.61 177.28,115.23 RLED22.1 ; v1(143.53,13.57) v1(143.53,24.89) v1(143.53,43.93) v1(143.53,62.67) v1(143.53,82.22) v1(143.53,101.39) 143.53,117.8 ; 213.52,55.19 215.6,55.19 216.01,54.78 216.01,53 215.53,52.52 UR1.14 ; 213.52,55.19 211.23,55.19 211.13,55.1 UR1.7 ; 213.52,55.19 213.81,54.9 v1(213.81,54.14) ; UR1.34 203.34,48.52 202.26,49.6 202.26,53.02 203,53.75 v1(206.14,53.75) 206.38,53.52 UR1.44 ; v1(201.18,41.38) 201.17,41.37 201.17,39.43 202.4,38.2 v1(202.4,38.13) ; v1(198.73,105.17) 196.88,105.17 196.33,105.72 RLED30.1 ; v1(162.47,151.74) v1(162.47,129.84) 162.47,115.52 162.66,115.33 v1(162.66,111.23) v1(162.66,91.91) v1(162.66,72.53) v1(162.66,53.46) v1(162.66,34.76) ; v1(162.56,3.43) 163.58,2.41 165.05,2.41 JR3.1 ; RLED26.1 196.33,29.7 196.85,29.18 v1(198.73,29.18) ; v1(141.58,24.24) 141.57,24.25 140.1,24.25 139.18,25.17 RLED2.1 ; RLED29.1 196.33,86.77 196.92,86.18 198.71,86.18 v1(198.73,86.2) ; v1(141.58,148.1) 140.27,148.1 139.18,149.19 RLED8.1 ; v1(179.69,57.8) 177.91,57.8 177.29,58.42 RLED19.1 ; UR1.24 212.63,45.89 v1(213.48,45.04) ; RLED10.1 158.24,34.1 159.53,32.81 160.63,32.81 v1(160.64,32.82) ; v1(217.02,12.77) 217.02,12.84 RR5.1 ; v1(201.18,45.26) v1(201.18,49.23) v1(201.18,53.53) ; v1(160.63,129.29) 158.77,129.29 158.23,129.83 RLED15.1 ; RLED21.1 177.29,96.21 177.87,95.63 v1(179.69,95.63) ; v1(200.53,157.35) v1(200.53,105.85) 200.53,94.49 200.74,94.28 200.74,89.6 201.16,89.18 v1(201.16,87.09) 201.16,69.16 200.68,68.68 v1(200.68,67.81) 200.68,65.83 201.16,65.35 v1(201.16,55) ; RLED18.1 177.29,38.64 177.69,38.24 179.09,38.24 v1(179.09,38.23) ; RLED12.1 158.23,72.87 158.99,72.11 v1(160.64,72.11) ; RLED40.1 215.39,156.35 216.17,155.57 v1(217.79,155.57) ; RLED11.1 158.24,53.54 158.88,52.9 160.62,52.9 v1(160.64,52.88) ; v1(183.39,40.52) 183.39,23.13 v1(182.16,21.89) 179.77,19.51 178.26,19.51 177.29,20.48 RLED17.1 ; v1(179.69,76.42) 178,76.42 177.29,77.13 RLED20.1 ; v1(183.39,42.74) 181.63,44.5 v1(181.63,58.18) v1(181.63,77.12) v1(181.63,96.28) v1(181.63,115.28) 181.63,134.83 182.17,135.37 182.9,135.37 184.59,137.06 184.59,140.38 183.81,141.16 183.79,141.16 183.09,141.87 182.19,141.87 181.48,142.58 v1(181.48,144.43) ; v1(217.85,26.94) 217.28,26.38 215.9,26.38 215.38,26.9 RLED34.1 ; v1(162.65,33.56) 162.65,16.52 161.14,15.02 v1(160.39,15.02) 159.25,15.02 159.24,15.01 158.23,16.02 RLED9.1 ; RLED31.1 196.33,132.06 197.09,131.3 v1(198.73,131.3) ; 143.53,117.8 143.53,118.61 v1(143.39,118.75) ; 143.53,117.8 143.53,136.38 146.76,139.61 146.76,142.38 144.93,144.22 144.32,144.22 143.38,145.16 v1(143.38,147.62) ; v1(218.97,74.76) 219.01,74.8 v1(219.01,87.83) ; RLED24.1 177.28,147.48 v1(179.68,145.08) ; RLED39.1 215.39,131.86 215.94,131.31 217.78,131.31 v1(217.79,131.3) ; RLED16.1 158.24,153.83 158.96,153.11 v1(160.64,153.11) ; RLED7.1 139.19,120.4 140.25,119.34 v1(141.59,119.34) ; v1(217.25,74.13) 215.37,76.01 RLED36.1 ; RLED5.1 139.18,82.32 139.85,81.65 v1(141.58,81.65) ; v1(141.59,43.27) 141.58,43.28 140.02,43.28 139.19,44.11 RLED3.1 ; v1(160.63,110.36) 158.98,110.36 158.23,111.11 RLED14.1 ; RLED13.1 158.24,91.95 158.91,91.28 v1(160.64,91.28) ; v1(141.58,61.88) 139.95,61.88 139.18,62.65 RLED4.1
+5VRD: length 15.4
  Bottom w0.2: JRD2.1 107.29,36.19 JRD1.4 107.29,26.7 FRD1.2
GNDL: length 1012
  Top w0.2: v1(60.32,77.23) 60.31,77.22 v1(60.31,59.44) v1(60.31,40.33) 60.31,21.98 v1(60.31,21.97) ; v1(83.41,158.71) 81.99,158.71 81.11,157.83 ; v1(23.71,114.58) 22.76,114.58 22.21,115.13 22.21,121.15 24.02,122.96 24.02,144.18 ; v1(38.22,83.91) 39.72,83.91 41.06,85.25 ; v1(60.28,79.16) 60.31,79.18 v1(60.31,97.63) v1(60.31,121.36) 60.31,130.07 62.08,131.84 62.08,144.12 ; v1(41.25,74.38) 41.25,74.38 41.25,78.86 41.6,79.21 41.6,83.93 41.27,84.26 41.27,85.46 41.06,85.25 ; v1(79.43,12.41) 79.37,12.47 79.37,16.95 79.57,17.15 79.57,19.48 79.03,20.02 v1(79.03,30.8) 79.03,35.64 79.83,36.44 79.83,38 79.57,38.26 79.57,49.26 79.02,49.81 v1(78.97,49.81) 78.97,56.44 79.57,57.04 79.57,60.56 79.22,60.91 v1(79.22,69) 79.36,69.14 79.36,74.11 79.91,74.66 79.91,87 v1(78.97,87.94) 78.97,94.34 79.96,95.33 79.96,97.47 79.22,98.21 v1(79.22,107.04) 79.22,112.41 79.57,112.76 79.57,114.71 80.05,115.19 80.05,125.29 v1(79.35,125.99) 79.35,132.53 81.11,134.29 81.11,143.59 ; v1(62.08,159.68) 62.08,145.76 ; 62.08,145.76 62.08,144.12 ; 62.08,145.76 63.34,144.5 80.04,144.5 80.95,143.59 81.11,143.59 ; 21.92,26.14 v1(21.92,27.43) 21.92,30.93 22.5,31.51 v1(22.5,37.74) ; 21.92,26.14 21.75,26.14 v1(20.03,27.86) ; 21.92,26.14 21.92,19.44 22.33,19.03 22.33,12.86 22.21,12.74 22.21,7.71 v1(22.28,7.64) ; v1(5.57,145.61) 23.01,145.61 v1(23.02,145.6) ; v1(1.56,77.28) 1.56,77.11 2.36,76.31 3.34,76.31 3.95,75.7 3.95,74.72 v1(3.97,74.7) 6.08,72.59 6.08,70.52 v1(8.33,68.27) ; v1(3.78,42.83) 2.58,44.03 v1(2.58,44.07) ; 81.11,157.83 81.11,143.59 ; 81.11,157.83 v1(81.11,159.8) ; 62.08,144.12 61.3,144.9 44.12,144.9 42.82,146.2 42.77,146.2 ; v1(1.72,122.68) 3.11,124.07 v1(3.11,124.48) ; 42.77,144.42 42.77,127.09 41.97,126.29 41.97,124.82 41.27,124.12 v1(41.27,119.07) 41.53,118.81 41.53,98.16 41.27,97.9 v1(41.27,92.81) 41.27,88.89 42.21,87.95 42.21,86.4 41.06,85.25 ; 42.77,144.42 41.59,145.6 v1(24.67,145.6) 24.02,144.95 24.02,144.18 ; 42.77,144.42 42.77,146.2 ; v1(3.78,51.28) 3.75,51.28 v1(2.58,50.11) ; 42.77,146.2 v1(42.77,159.54) ; v1(11.91,35.77) 11.91,35.71 v1(10.47,34.27) ; v1(3.72,98.38) 1.97,96.63 v1(1.97,94.65) ; v1(39.13,59.81) 39.27,59.81 41.53,62.07 ; 24.02,144.18 v1(24.02,159.85) ; v1(41.41,68.21) 41.53,68.09 41.53,60.05 41.26,59.78 v1(41.26,54.61) 41.26,49.15 42.46,47.95 42.46,44.72 41.51,43.77 41.51,41.01 41.26,40.76 v1(41.26,35.51) 41.26,29.27 41.61,28.92 41.61,22.06 41.26,21.71 41.26,17.29 v1(41.51,17.04) ; v1(4.94,158.38) 4.94,154.36 v1(4.96,154.34) 5.37,153.93 v1(7.21,153.93)
  Bottom w0.2: v1(21.92,27.43) 21.92,27.31 22.61,26.62 LLED31.3 ; v1(41.41,68.21) 42.75,69.55 LLED20.3 42.26,73.77 41.8,73.77 41.25,74.32 v1(41.25,74.38) ; LLED32.3 23.23,7.11 22.81,7.11 v1(22.28,7.64) ; CL2.2 1.97,69.53 1.97,65.94 ; LLED22.3 41.91,36.16 v1(41.26,35.51) ; v1(60.32,77.23) 60.28,77.26 v1(60.28,79.16) 60.71,78.74 60.72,78.75 61.55,78.75 LLED12.3 ; LLED21.3 41.83,55.18 v1(41.26,54.61) ; v1(78.97,87.94) 79.57,88.54 LLED4.3 ; v1(1.72,122.68) 1.72,115.17 1.97,114.92 1.94,114.89 CL6.2 1.8,111.07 1.8,94.82 v1(1.97,94.65) 2.02,94.6 CL8.2 2.02,91.05 CL3.2 1.56,86.91 v1(1.56,77.28) ; LLED23.3 42.69,17.04 v1(41.51,17.04) ; v1(60.31,59.44) 60.83,59.96 LLED13.3 ; v1(41.27,92.81) 41.76,93.3 LLED19.3 ; UL1.45 13.03,62.07 UL1.43 ; UL1.45 10.03,63.07 UL1.15 6.79,63.07 5.58,61.86 5.58,53.98 RL4.1 5.01,52.51 v1(3.78,51.28) ; UL1.45 13.03,66.07 UL1.35 ; UL1.45 11.53,63.57 UL1.5 ; UL1.45 8.53,66.57 UL1.23 ; LLED8.3 79.49,12.35 v1(79.43,12.41) ; UL1.23 8.53,68.07 v1(8.33,68.27) ; UL1.23 8.14,67.8 3.84,67.8 1.97,65.94 ; v1(3.97,74.7) 3.97,75.78 4.66,76.47 LLED36.3 ; LLED30.3 23.71,38.95 v1(22.5,37.74) ; 4,24.85 4,16.98 2.62,15.6 2.62,9.86 3.22,9.26 4.12,9.26 4.67,9.81 LLED40.3 ; 4,24.85 4,30.73 5.82,32.55 5.82,35.28 4.68,36.42 LLED38.3 4.22,42.83 v1(3.78,42.83) ; 4,24.85 10.47,31.32 v1(10.47,34.27) ; v1(81.11,159.8) 81.13,159.82 LLED1.3 ; LLED14.3 60.89,40.91 v1(60.31,40.33) ; 4.96,143.5 4.96,133.61 3.07,131.72 3.07,124.78 3.57,124.28 ; 4.96,143.5 4.96,145 v1(5.57,145.61) ; 4.96,143.5 v1(4.96,154.34) ; v1(62.08,159.68) 62.1,159.7 LLED9.3 62.1,159.66 63.1,158.66 67.99,158.66 71.81,162.48 REL00_2.C ; v1(83.41,158.71) 83.41,158.71 86.59,158.71 90.34,162.46 REL00_1.C ; v1(23.02,145.6) v1(24.67,145.6) ; v1(38.22,83.91) 36.04,86.09 32.93,86.09 29.39,82.55 24.44,82.55 23.71,83.28 LLED28.3 ; YL1.4 2.08,62.94 YL1.2 2.08,65.83 1.97,65.94 ; 3.57,124.28 LLED34.3 ; 3.57,124.28 3.37,124.48 v1(3.11,124.48) ; LLED11.3 60.74,98.06 v1(60.31,97.63) ; LLED6.3 79.62,50.46 v1(78.97,49.81) ; LLED33.3 v1(4.94,158.38) ; v1(60.31,21.97) 60.88,21.41 61.36,21.41 LLED15.3 61.81,12.91 JL3.2 ; v1(60.31,121.36) 60.83,121.88 LLED10.3 ; v1(3.72,98.38) 4.66,99.32 LLED35.3 ; LLED29.3 23.72,64.23 24.06,63.89 24.06,60.45 25.72,58.79 38.11,58.79 v1(39.13,59.81) ; LLED18.3 41.72,119.52 v1(41.27,119.07) ; v1(7.21,153.93) 16.8,153.93 19.74,156.87 19.74,161.15 18.43,162.46 REL00_4.C ; v1(79.22,69) 79.73,69.51 LLED5.3 ; LLED2.3 80.02,126.66 v1(79.35,125.99) ; RESETL_SW1.C v1(11.91,35.77) RESETL_SW1.D 17.28,30.61 v1(20.03,27.86) ; LLED7.3 79.6,31.37 v1(79.03,30.8) ; v1(79.22,107.04) 79.77,107.59 LLED3.3 ; LLED17.3 v1(42.77,159.54) ; LLED25.3 24.04,159.87 v1(24.02,159.85) 24.02,159.53 24.91,158.63 29.8,158.63 33.66,162.49 REL00_3.C ; v1(2.58,50.11) v1(2.58,44.07)
